# Altium PCB HOST拼板.PcbDoc (part 2 of 4) (continued)
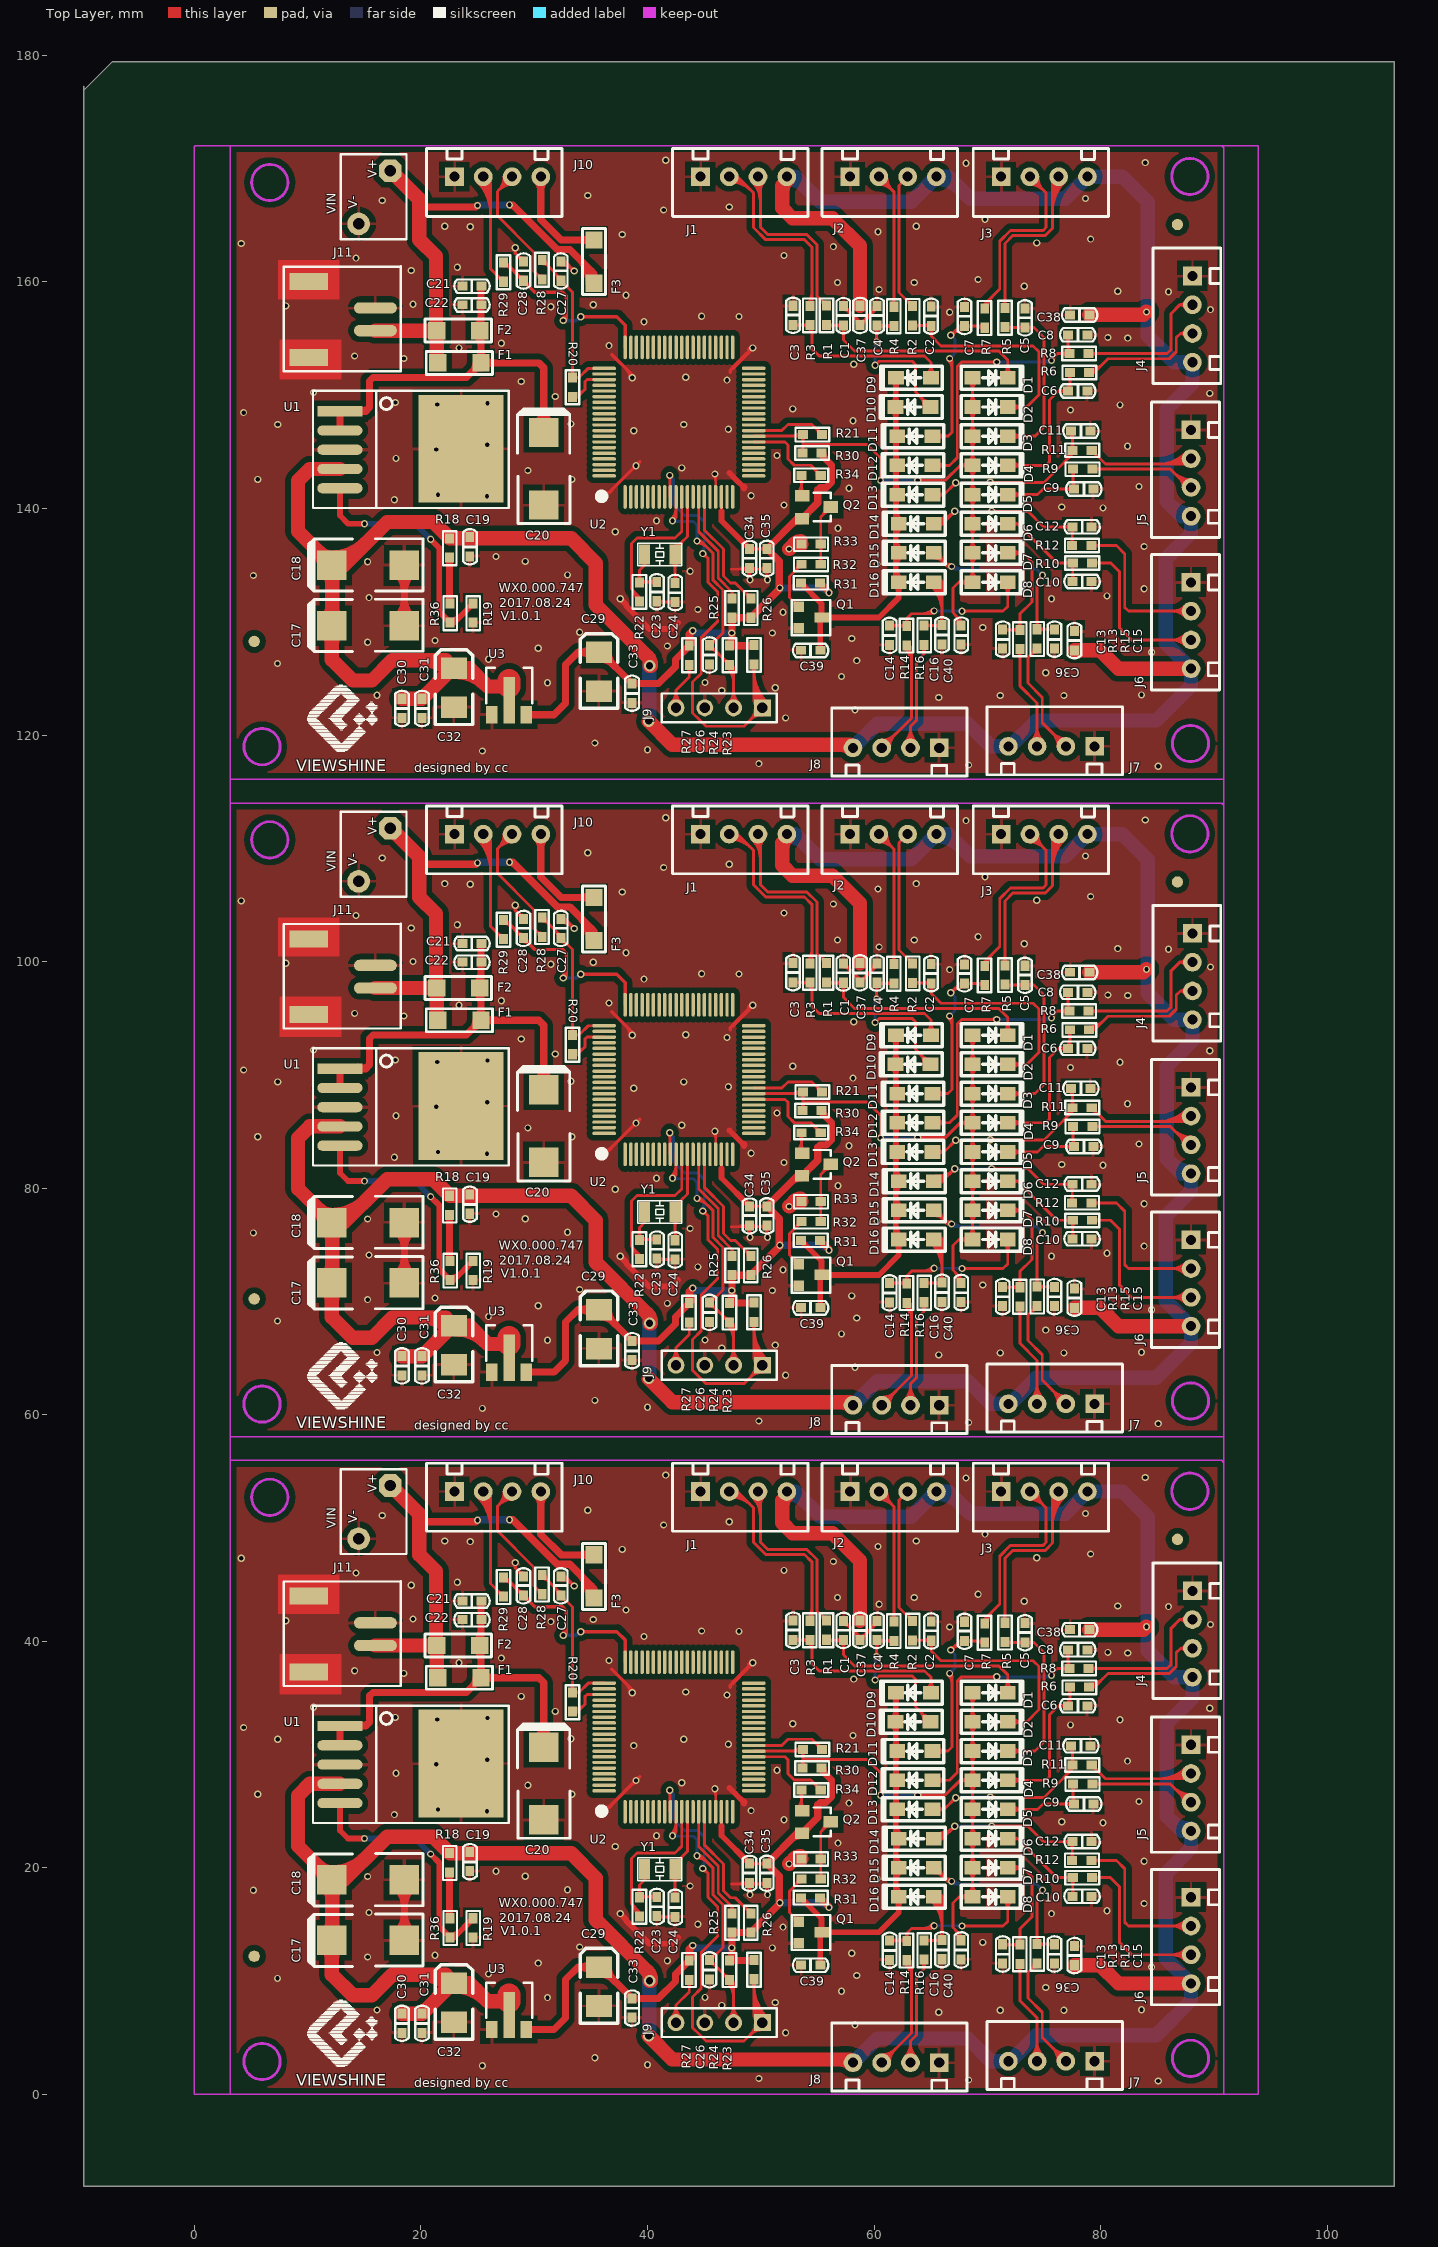
[diagram p0: Top Layer view]
## Nets (pads, with @x,y where several pads share a name; then routed paths per layer and width w, separated by ;. In a path a pad name is that pad's centre, name@x,y a point inside that pad or via, vN(x,y) a via of type N, cw(c..) or ccw(c..) an arc to the next point about the centre after c; other vN are vias at no path point) (continued)
55.423,146.533 ; 49.403,7.154 ccw(c50.969,7.154) 49.862,6.047 ; 49.403,7.767 ccw(c51.582,7.767) 50.041,6.226 ; 49.403,8.381 ccw(c52.196,8.381) 50.221,6.406 ; 49.403,8.994 ccw(c52.809,8.994) 50.401,6.586 ; 49.403,9.607 ccw(c53.422,9.607) 50.58,6.765 ; 49.403,65.193 ccw(c50.969,65.193) 49.862,64.086 ; 49.403,65.806 ccw(c51.582,65.806) 50.041,64.265 ; 49.403,66.42 ccw(c52.196,66.42) 50.221,64.445 ; 49.403,67.033 ccw(c52.809,67.033) 50.401,64.625 ; 49.403,67.646 ccw(c53.422,67.646) 50.58,64.804 ; 49.403,123.232 ccw(c50.969,123.232) 49.862,122.125 ; 49.403,123.845 ccw(c51.582,123.845) 50.041,122.304 ; 49.403,124.459 ccw(c52.196,124.459) 50.221,122.484 ; 49.403,125.072 ccw(c52.809,125.072) 50.401,122.664 ; 49.403,125.685 ccw(c53.422,125.685) 50.58,122.843 ; 49.444,52.899 cw(c48.195,51.649) 49.962,51.649 ; 49.444,110.938 cw(c48.195,109.688) 49.962,109.688 ; 49.444,168.977 cw(c48.195,167.727) 49.962,167.727 ; 49.517,6.325 cw(c48.013,6.325) 49.076,5.261 cw(c50.14,4.198) 50.14,5.702 ; 49.517,64.364 cw(c48.013,64.364) 49.076,63.3 cw(c50.14,62.237) 50.14,63.741 ; 49.517,122.403 cw(c48.013,122.403) 49.076,121.339 cw(c50.14,120.276) 50.14,121.78 ; 49.624,53.078 cw(c48.808,52.263) 49.962,52.263 ; 49.624,111.117 cw(c48.808,110.302) 49.962,110.302 ; 49.624,169.156 cw(c48.808,168.341) 49.962,168.341 ; 49.759,53.213 49.962,53.01 49.962,49.327 ; 49.759,111.252 49.962,111.049 49.962,107.366 ; 49.759,169.291 49.962,169.088 49.962,165.405 ; 49.771,6.325 cw(c48.88,6.325) 49.51,5.695 cw(c50.14,5.065) 50.14,5.956 ; 49.771,64.364 cw(c48.88,64.364) 49.51,63.734 cw(c50.14,63.104) 50.14,63.995 ; 49.771,122.403 cw(c48.88,122.403) 49.51,121.773 cw(c50.14,121.143) 50.14,122.034 ; 49.781,18.555 ccw(c49.781,19.371) 50.357,18.794 ; 49.781,76.594 ccw(c49.781,77.41) 50.357,76.833 ; 49.781,134.633 ccw(c49.781,135.449) 50.357,134.872 ; 49.962,50.089 49.962,49.327 ; 49.962,52.017 cw(c50.954,52.017) 50.253,52.719 ; 49.962,108.128 49.962,107.366 ; 49.962,110.056 cw(c50.954,110.056) 50.253,110.758 ; 49.962,166.167 49.962,165.405 ; 49.962,168.095 cw(c50.954,168.095) 50.253,168.797 ; 50.024,18.555 cw(c50.024,18.083) 50.357,18.417 cw(c49.902,17.961) 50.546,17.961 cw(c51.19,17.961) 50.735,18.417 ; 50.024,76.594 cw(c50.024,76.122) 50.357,76.456 cw(c49.902,76) 50.546,76 cw(c51.19,76) 50.735,76.456 ; 50.024,134.633 cw(c50.024,134.161) 50.357,134.495 cw(c49.902,134.039) 50.546,134.039 cw(c51.19,134.039) 50.735,134.495 ; 50.357,20.169 ccw(c49.902,19.714) 49.902,20.358 ccw(c49.902,21.002) 50.357,20.546 ; 50.357,78.208 ccw(c49.902,77.753) 49.902,78.397 ccw(c49.902,79.041) 50.357,78.585 ; 50.357,136.247 ccw(c49.902,135.792) 49.902,136.436 ccw(c49.902,137.08) 50.357,136.624 ; v1@50.462,17.762 ccw(c50.26,17.965) 50.546,17.965 ; v1@50.462,75.801 ccw(c50.26,76.004) 50.546,76.004 ; v1@50.462,133.84 ccw(c50.26,134.043) 50.546,134.043 ; 50.546,18.21 ccw(c51.179,18.21) v1@50.732,17.762 ; 50.546,76.249 ccw(c51.179,76.249) v1@50.732,75.801 ; 50.546,134.288 ccw(c51.179,134.288) v1@50.732,133.84 ; 52.705,30.322 ccw(c52.705,31.419) 53.482,30.643 ; 52.705,88.361 ccw(c52.705,89.458) 53.482,88.682 ; 52.705,146.4 ccw(c52.705,147.497) 53.482,146.721 ; 52.857,40.119 52.87,40.107 54.508,40.107 54.508,39.294 ; 52.857,98.158 52.87,98.146 54.508,98.146 54.508,97.333 ; 52.857,156.197 52.87,156.185 54.508,156.185 54.508,155.372 ; 53.01,15.24 ccw(c52.213,15.24) 52.776,15.804 ccw(c53.34,16.367) 53.34,15.57 ; 53.01,73.279 ccw(c52.213,73.279) 52.776,73.843 ccw(c53.34,74.406) 53.34,73.609 ; 53.01,131.318 ccw(c52.213,131.318) 52.776,131.882 ccw(c53.34,132.445) 53.34,131.648 ; 53.046,39.93 cw(c53.471,39.505) 53.471,40.107 ; 53.046,40.308 ccw(c53.531,40.793) 53.531,40.107 ; 53.046,97.969 cw(c53.471,97.544) 53.471,98.146 ; 53.046,98.347 ccw(c53.531,98.832) 53.531,98.146 ; 53.046,156.008 cw(c53.471,155.583) 53.471,156.185 ; 53.046,156.386 ccw(c53.531,156.871) 53.531,156.185 ; 53.052,18.457 ccw(c52.51,18.999) 53.276,18.999 ; 53.052,76.496 ccw(c52.51,77.038) 53.276,77.038 ; 53.052,134.535 ccw(c52.51,135.077) 53.276,135.077 ; 53.175,18.58 cw(c53.543,18.211) 53.543,18.732 ; 53.175,76.619 cw(c53.543,76.25) 53.543,76.772 ; 53.175,134.658 cw(c53.543,134.289) 53.543,134.81 ; 53.269,25.323 ccw(c52.483,26.108) 53.594,26.108 ; 53.269,83.362 ccw(c52.483,84.147) 53.594,84.147 ; 53.269,141.401 ccw(c52.483,142.186) 53.594,142.186 ; 53.34,15.24 52.527,16.053 52.527,17.932 53.594,18.999 ; 53.34,73.279 52.527,74.092 52.527,75.971 53.594,77.038 ; 53.34,131.318 52.527,132.131 52.527,134.01 53.594,135.077 ; 53.405,26.659 cw(c52.95,26.204) 53.594,26.204 cw(c54.238,26.204) 53.783,26.659 ; 53.405,84.698 cw(c52.95,84.243) 53.594,84.243 cw(c54.238,84.243) 53.783,84.698 ; 53.405,142.737 cw(c52.95,142.282) 53.594,142.282 cw(c54.238,142.282) 53.783,142.737 ; 53.532,28.992 ccw(c53.077,29.447) 53.721,29.447 ccw(c54.365,29.447) 53.91,28.992 ; 53.532,30.266 cw(c53.077,29.811) 53.721,29.811 cw(c54.365,29.811) 53.91,30.266 ; 53.532,87.031 ccw(c53.077,87.486) 53.721,87.486 ccw(c54.365,87.486) 53.91,87.031 ; 53.532,88.305 cw(c53.077,87.85) 53.721,87.85 cw(c54.365,87.85) 53.91,88.305 ; 53.532,145.07 ccw(c53.077,145.525) 53.721,145.525 ccw(c54.365,145.525) 53.91,145.07 ; 53.532,146.344 cw(c53.077,145.889) 53.721,145.889 cw(c54.365,145.889) 53.91,146.344 ; 53.594,25.838 ccw(c54.323,25.838) 53.808,25.323 ; 53.594,26.848 53.594,25.125 53.665,25.054 ; 53.594,83.877 ccw(c54.323,83.877) 53.808,83.362 ; 53.594,84.887 53.594,83.164 53.665,83.093 ; 53.594,141.916 ccw(c54.323,141.916) 53.808,141.401 ; 53.594,142.926 53.594,141.203 53.665,141.132 ; 53.67,28.804 53.721,28.854 53.721,29.566 ; 53.67,86.843 53.721,86.893 53.721,87.605 ; 53.67,144.882 53.721,144.932 53.721,145.644 ; 54.15,39.918 ccw(c53.695,39.463) 53.695,40.107 ccw(c53.695,40.75) 54.15,40.295 ; 54.15,42.048 ccw(c53.286,42.912) 54.508,42.912 ; 54.15,97.957 ccw(c53.695,97.502) 53.695,98.146 ccw(c53.695,98.789) 54.15,98.334 ; 54.15,100.087 ccw(c53.286,100.951) 54.508,100.951 ; 54.15,155.996 ccw(c53.695,155.541) 53.695,156.185 ccw(c53.695,156.828) 54.15,156.373 ; 54.15,158.126 ccw(c53.286,158.99) 54.508,158.99 ; 54.199,39.829 cw(c53.858,39.275) 54.508,39.275 ; 54.199,97.868 cw(c53.858,97.314) 54.508,97.314 ; 54.199,155.907 cw(c53.858,155.353) 54.508,155.353 ; 54.33,41.868 ccw(c53.9,42.299) 54.508,42.299 ; 54.33,99.907 ccw(c53.9,100.338) 54.508,100.338 ; 54.33,157.946 ccw(c53.9,158.377) 54.508,158.377 ; 54.508,38.684 54.508,39.294 ; 54.508,96.723 54.508,97.333 ; 54.508,154.762 54.508,155.372 ; 54.754,27.39 cw(c54.212,26.848) 54.978,26.848 ; 54.754,85.429 cw(c54.212,84.887) 54.978,84.887 ; 54.754,143.468 cw(c54.212,142.926) 54.978,142.926 ; 54.876,27.267 ccw(c55.245,27.636) 55.245,27.114 ; 54.876,85.306 ccw(c55.245,85.675) 55.245,85.153 ; 54.876,143.345 ccw(c55.245,143.714) 55.245,143.192 ; 54.881,30.997 cw(c54.339,30.455) 55.105,30.455 ; 54.881,89.036 cw(c54.339,88.494) 55.105,88.494 ; 54.881,147.075 cw(c54.339,146.533) 55.105,146.533 ; 55.003,30.874 ccw(c55.372,31.243) 55.372,30.721 ; 55.003,88.913 ccw(c55.372,89.282) 55.372,88.76 ; 55.003,146.952 ccw(c55.372,147.321) 55.372,146.799 ; 55.107,19.188 ccw(c54.652,19.643) 55.296,19.643 ccw(c55.94,19.643) 55.484,19.188 ; 55.107,20.589 cw(c54.652,20.133) 55.296,20.133 cw(c55.94,20.133) 55.484,20.589 ; 55.107,20.966 ccw(c54.652,21.421) 55.296,21.421 ccw(c55.94,21.421) 55.484,20.966 ; 55.107,77.227 ccw(c54.652,77.682) 55.296,77.682 ccw(c55.94,77.682) 55.484,77.227 ; 55.107,78.628 cw(c54.652,78.172) 55.296,78.172 cw(c55.94,78.172) 55.484,78.628 ; 55.107,79.005 ccw(c54.652,79.46) 55.296,79.46 ccw(c55.94,79.46) 55.484,79.005 ; 55.107,135.266 ccw(c54.652,135.721) 55.296,135.721 ccw(c55.94,135.721) 55.484,135.266 ; 55.107,136.667 cw(c54.652,136.211) 55.296,136.211 cw(c55.94,136.211) 55.484,136.667 ; 55.107,137.044 ccw(c54.652,137.499) 55.296,137.499 ccw(c55.94,137.499) 55.484,137.044 ; 55.253,42.376 ccw(c55.795,42.918) 55.795,42.151 ; 55.253,100.415 ccw(c55.795,100.957) 55.795,100.19 ; 55.253,158.454 ccw(c55.795,158.996) 55.795,158.229 ; 55.296,18.999 55.296,20.777 55.296,23.165 56.185,24.054 ; 55.296,77.038 55.296,78.816 55.296,81.204 56.185,82.093 ; 55.296,135.077 55.296,136.855 55.296,139.243 56.185,140.132 ; 55.359,23.228 ccw(c54.59,23.997) 55.677,24.039 ; 55.359,81.267 ccw(c54.59,82.036) 55.677,82.078 ; 55.359,139.306 ccw(c54.59,140.075) 55.677,140.117 ; 55.376,42.253 cw(c55.007,41.885) 55.529,41.885 ; 55.376,100.292 cw(c55.007,99.924) 55.529,99.924 ; 55.376,158.331 cw(c55.007,157.963) 55.529,157.963 ; 55.624,23.493 cw(c56.058,23.06) 56.058,23.673 ; 55.624,81.532 cw(c56.058,81.099) 56.058,81.712 ; 55.624,139.571 cw(c56.058,139.138) 56.058,139.751 ; 55.795,41.834 54.961,42.669 54.961,47.208 54.061,48.108 50.622,48.108 49.962,48.768 49.962,49.327 ; 55.795,99.873 54.961,100.708 54.961,105.247 54.061,106.147 50.622,106.147 49.962,106.807 49.962,107.366 ; 55.795,157.912 54.961,158.747 54.961,163.286 54.061,164.186 50.622,164.186 49.962,164.846 49.962,165.405 ; 55.984,39.893 cw(c56.439,39.437) 56.439,40.081 cw(c56.439,40.725) 55.984,40.27 ; 55.984,97.932 cw(c56.439,97.476) 56.439,98.12 cw(c56.439,98.764) 55.984,98.309 ; 55.984,155.971 cw(c56.439,155.515) 56.439,156.159 cw(c56.439,156.803) 55.984,156.348 ; 56.159,40.081 57.302,40.081 ; 56.159,98.12 57.302,98.12 ; 56.159,156.159 57.302,156.159 ; 56.628,40.081 ccw(c56.628,40.768) 57.114,40.282 ; 56.628,98.12 ccw(c56.628,98.807) 57.114,98.321 ; 56.628,156.159 ccw(c56.628,156.846) 57.114,156.36 ; 56.689,40.081 cw(c56.689,39.48) 57.114,39.905 ; 56.689,98.12 cw(c56.689,97.519) 57.114,97.944 ; 56.689,156.159 cw(c56.689,155.558) 57.114,155.983 ; 57.114,39.854 cw(c56.659,39.399) 57.302,39.399 cw(c57.946,39.399) 57.491,39.854 ; 57.114,97.893 cw(c56.659,97.438) 57.302,97.438 cw(c57.946,97.438) 57.491,97.893 ; 57.114,155.932 cw(c56.659,155.477) 57.302,155.477 cw(c57.946,155.477) 57.491,155.932 ; 57.302,40.094 57.302,40.081 ; 57.302,98.133 57.302,98.12 ; 57.302,156.172 57.302,156.159 ; 60.077,39.854 cw(c59.724,39.501) 60.223,39.501 ; 60.077,97.893 cw(c59.724,97.54) 60.223,97.54 ; 60.077,155.932 cw(c59.724,155.579) 60.223,155.579 ; v1@60.089,38.768 ccw(c59.763,39.093) 60.223,39.093 ccw(c60.683,39.093) v1@60.358,38.768 ; v1@60.089,96.807 ccw(c59.763,97.132) 60.223,97.132 ccw(c60.683,97.132) v1@60.358,96.807 ; v1@60.089,154.846 ccw(c59.763,155.171) 60.223,155.171 ccw(c60.683,155.171) v1@60.358,154.846 ; v1(60.096,36.576) 60.442,36.921 63.373,36.921 63.652,36.642 63.652,34.228 64.999,32.882 63.779,34.101 ; 60.096,40.17 60.236,40.03 ; v1(60.096,94.615) 60.442,94.96 63.373,94.96 63.652,94.681 63.652,92.267 64.999,90.921 63.779,92.14 ; 60.096,98.209 60.236,98.069 ; v1(60.096,152.654) 60.442,152.999 63.373,152.999 63.652,152.72 63.652,150.306 64.999,148.96 63.779,150.179 ; 60.096,156.248 60.236,156.108 ; v1(60.223,38.633) 60.223,40.018 60.236,40.03 ; 60.223,39.297 cw(c61.012,39.297) 60.454,39.854 cw(c60.879,39.429) 60.879,40.03 ; v1(60.223,96.672) 60.223,98.057 60.236,98.069 ; 60.223,97.336 cw(c61.012,97.336) 60.454,97.893 cw(c60.879,97.468) 60.879,98.069 ; v1(60.223,154.711) 60.223,156.096 60.236,156.108 ; 60.223,155.375 cw(c61.012,155.375) 60.454,155.932 cw(c60.879,155.507) 60.879,156.108 ; 60.427,52.514 cw(c60.427,50.828) 61.619,52.021 cw(c62.811,53.213) 61.125,53.213 ; 60.427,52.768 cw(c60.427,51.695) 61.185,52.454 cw(c61.944,53.213) 60.871,53.213 ; 60.427,53.213 61.747,51.892 61.747,41.732 ; 60.427,110.553 cw(c60.427,108.867) 61.619,110.06 cw(c62.811,111.252) 61.125,111.252 ; 60.427,110.807 cw(c60.427,109.734) 61.185,110.493 cw(c61.944,111.252) 60.871,111.252 ; 60.427,111.252 61.747,109.931 61.747,99.771 ; 60.427,168.593 cw(c60.427,166.906) 61.619,168.099 cw(c62.811,169.291) 61.125,169.291 ; 60.427,168.846 cw(c60.427,167.773) 61.185,168.532 cw(c61.944,169.291) 60.871,169.291 ; 60.427,169.291 61.747,167.97 61.747,157.81 ; v1@60.444,26.525 ccw(c60.058,26.912) 60.604,26.912 ; v1@60.444,84.564 ccw(c60.058,84.951) 60.604,84.951 ; v1@60.444,142.603 ccw(c60.058,142.99) 60.604,142.99 ; 60.454,40.231 ccw(c60.94,40.717) 60.94,40.03 ; 60.454,98.27 ccw(c60.94,98.756) 60.94,98.069 ; 60.454,156.309 ccw(c60.94,156.795) 60.94,156.108 ; v1(60.579,26.391) 60.604,26.416 60.604,26.695 60.604,28.346 59.385,29.566 53.721,29.566 ; v1(60.579,84.43) 60.604,84.455 60.604,84.734 60.604,86.385 59.385,87.605 53.721,87.605 ; v1(60.579,142.469) 60.604,142.494 60.604,142.773 60.604,144.424 59.385,145.644 53.721,145.644 ; 60.604,26.789 ccw(c60.978,26.789) v1@60.714,26.525 ; 60.604,84.828 ccw(c60.978,84.828) v1@60.714,84.564 ; 60.604,142.867 ccw(c60.978,142.867) v1@60.714,142.603 ; 60.681,2.794 63.297,5.41 63.297,11.43 62.89,11.836 ; 60.681,3.238 ccw(c60.681,4.312) 61.439,3.553 ccw(c62.198,2.794) 61.125,2.794 ; 60.681,3.492 ccw(c60.681,5.179) 61.873,3.986 ccw(c63.065,2.794) 61.379,2.794 ; 60.681,60.833 63.297,63.449 63.297,69.469 62.89,69.875 ; 60.681,61.277 ccw(c60.681,62.351) 61.439,61.592 ccw(c62.198,60.833) 61.125,60.833 ; 60.681,61.531 ccw(c60.681,63.218) 61.873,62.025 ccw(c63.065,60.833) 61.379,60.833 ; 60.681,118.872 63.297,121.488 63.297,127.508 62.89,127.914 ; 60.681,119.316 ccw(c60.681,120.39) 61.439,119.631 ccw(c62.198,118.872) 61.125,118.872 ; 60.681,119.57 ccw(c60.681,121.257) 61.873,120.064 ccw(c63.065,118.872) 61.379,118.872 ; 61.366,13.577 62.852,13.577 62.89,13.538 62.89,14.199 ; 61.366,71.616 62.852,71.616 62.89,71.577 62.89,72.238 ; 61.366,129.655 62.852,129.655 62.89,129.616 62.89,130.277 ; 61.555,13.388 cw(c62.01,12.933) 62.01,13.577 cw(c62.01,14.22) 61.555,13.765 ; 61.555,71.427 cw(c62.01,70.972) 62.01,71.616 cw(c62.01,72.259) 61.555,71.804 ; 61.555,129.466 cw(c62.01,129.011) 62.01,129.655 cw(c62.01,130.298) 61.555,129.843 ; 61.559,39.842 ccw(c61.104,39.387) 61.104,40.03 ccw(c61.104,40.674) 61.559,40.219 ; 61.559,41.972 ccw(c61.104,42.427) 61.747,42.427 ccw(c62.391,42.427) 61.936,41.972 ; 61.559,97.881 ccw(c61.104,97.426) 61.104,98.069 ccw(c61.104,98.713) 61.559,98.258 ; 61.559,100.011 ccw(c61.104,100.466) 61.747,100.466 ccw(c62.391,100.466) 61.936,100.011 ; 61.559,155.92 ccw(c61.104,155.465) 61.104,156.108 ccw(c61.104,156.752) 61.559,156.297 ; 61.559,158.05 ccw(c61.104,158.505) 61.747,158.505 ccw(c62.391,158.505) 61.936,158.05 ; 61.747,40.03 60.236,40.03 ; 61.747,98.069 60.236,98.069 ; 61.747,156.108 60.236,156.108 ; 62.216,13.577 ccw(c62.216,14.263) 62.702,13.778 ; 62.216,71.616 ccw(c62.216,72.302) 62.702,71.817 ; 62.216,129.655 ccw(c62.216,130.341) 62.702,129.856 ; 62.277,13.577 cw(c62.277,12.975) 62.702,13.4 ; 62.277,71.616 cw(c62.277,71.014) 62.702,71.439 ; 62.277,129.655 cw(c62.277,129.053) 62.702,129.478 ; 62.702,11.597 cw(c61.265,10.161) 63.297,10.161 ; 62.702,69.636 cw(c61.265,68.2) 63.297,68.2 ; 62.702,127.675 cw(c61.265,126.239) 63.297,126.239 ; 62.709,13.785 ccw(c62.327,14.199) 62.89,14.199 ; 62.709,71.824 ccw(c62.327,72.238) 62.89,72.238 ; 62.709,129.863 ccw(c62.327,130.277) 62.89,130.277 ; 62.727,3.288 ccw(c61.534,4.48) 63.221,4.48 ccw(c64.907,4.48) 63.715,3.288 ; 62.727,61.327 ccw(c61.534,62.519) 63.221,62.519 ccw(c64.907,62.519) 63.715,61.327 ; 62.727,119.366 ccw(c61.534,120.558) 63.221,120.558 ccw(c64.907,120.558) 63.715,119.366 ; 62.856,42.325 ccw(c63.398,42.867) 63.398,42.1 ; 62.856,100.364 ccw(c63.398,100.906) 63.398,100.139 ; 62.856,158.403 ccw(c63.398,158.945) 63.398,158.178 ; 62.881,11.777 cw(c61.879,10.774) 63.297,10.774 ; 62.881,69.816 cw(c61.879,68.813) 63.297,68.813 ; 62.881,127.855 cw(c61.879,126.852) 63.297,126.852 ; 62.906,3.108 ccw(c62.147,3.867) 63.221,3.867 ccw(c64.294,3.867) 63.535,3.108 ; 62.906,61.147 ccw(c62.147,61.906) 63.221,61.906 ccw(c64.294,61.906) 63.535,61.147 ; 62.906,119.186 ccw(c62.147,119.945) 63.221,119.945 ccw(c64.294,119.945) 63.535,119.186 ; 62.939,11.523 cw(c63.018,11.1) 63.322,11.405 ; 62.939,69.562 cw(c63.018,69.139) 63.322,69.444 ; 62.939,127.601 cw(c63.018,127.178) 63.322,127.483 ; 62.967,53.213 62.2,52.446 62.2,44.018 62.2,42.982 63.398,41.783 ; 62.967,111.252 62.2,110.485 62.2,102.057 62.2,101.021 63.398,99.822 ; 62.967,169.291 62.2,168.524 62.2,160.096 62.2,159.06 63.398,157.861 ; 62.979,42.202 cw(c62.61,41.834) 63.132,41.834 ; 62.979,100.241 cw(c62.61,99.873) 63.132,99.873 ; 62.979,158.28 cw(c62.61,157.912) 63.132,157.912 ; 63.061,11.956 cw(c62.492,11.387) 63.297,11.387 ; 63.061,69.995 cw(c62.492,69.426) 63.297,69.426 ; 63.061,128.034 cw(c62.492,127.465) 63.297,127.465 ; 63.071,13.785 cw(c63.454,14.199) 62.89,14.199 ; 63.071,71.824 cw(c63.454,72.238) 62.89,72.238 ; 63.071,129.863 cw(c63.454,130.277) 62.89,130.277 ; 63.157,11.786 ccw(c63.678,11.786) 63.31,11.417 ; 63.157,69.825 ccw(c63.678,69.825) 63.31,69.456 ; 63.157,127.864 ccw(c63.678,127.864) 63.31,127.495 ; 63.221,2.794 63.221,4.695 63.749,5.223 63.749,10.409 64.414,11.074 64.414,11.887 ; 63.221,60.833 63.221,62.734 63.749,63.262 63.749,68.448 64.414,69.113 64.414,69.926 ; 63.221,118.872 63.221,120.773 63.749,121.301 63.749,126.487 64.414,127.152 64.414,127.965 ; 63.398,40.081 65.011,40.081 65.049,40.043 65.049,39.141 65.913,38.278 74.041,38.278 74.554,37.765 74.554,33.96 73.476,32.882 71.807,32.882 ; 63.398,98.12 65.011,98.12 65.049,98.082 65.049,97.18 65.913,96.317 74.041,96.317 74.554,95.804 74.554,91.999 73.476,90.921 71.807,90.921 ; 63.398,156.159 65.011,156.159 65.049,156.121 65.049,155.219 65.913,154.356 74.041,154.356 74.554,153.843 74.554,150.038 73.476,148.96 71.807,148.96 ; 63.587,39.893 cw(c64.042,39.437) 64.042,40.081 cw(c64.042,40.725) 63.587,40.27 ; 63.587,97.932 cw(c64.042,97.476) 64.042,98.12 cw(c64.042,98.764) 63.587,98.309 ; 63.587,155.971 cw(c64.042,155.515) 64.042,156.159 cw(c64.042,156.803) 63.587,156.348 ; v1(63.856,26.416) 66.294,26.416 67.608,27.73 ; v1(63.856,84.455) 66.294,84.455 67.608,85.769 ; v1(63.856,142.494) 66.294,142.494 67.608,143.808 ; v1@63.99,26.281 cw(c64.316,25.956) 64.316,26.416 cw(c64.316,26.876) v1@63.99,26.551 ; v1@63.99,84.32 cw(c64.316,83.995) 64.316,84.455 cw(c64.316,84.915) v1@63.99,84.59 ; v1@63.99,142.359 cw(c64.316,142.034) 64.316,142.494 cw(c64.316,142.954) v1@63.99,142.629 ; 64.226,11.648 cw(c63.771,11.193) 64.414,11.193 cw(c65.058,11.193) 64.603,11.648 ; 64.226,69.687 cw(c63.771,69.232) 64.414,69.232 cw(c65.058,69.232) 64.603,69.687 ; 64.226,127.726 cw(c63.771,127.271) 64.414,127.271 cw(c65.058,127.271) 64.603,127.726 ; 64.23,14.63 ccw(c64.23,15.958) v1@65.169,15.019 ; 64.23,72.669 ccw(c64.23,73.997) v1@65.169,73.058 ; 64.23,130.708 ccw(c64.23,132.036) v1@65.169,131.097 ; 64.375,40.081 ccw(c64.375,40.768) 64.861,40.282 ; 64.375,98.12 ccw(c64.375,98.807) 64.861,98.321 ; 64.375,156.159 ccw(c64.375,156.846) 64.861,156.36 ; 64.414,13.589 65.951,13.589 65.989,13.627 65.989,14.859 65.989,17.45 ; 64.414,71.628 65.951,71.628 65.989,71.666 65.989,72.898 65.989,75.489 ; 64.414,129.667 65.951,129.667 65.989,129.705 65.989,130.937 65.989,133.528 ; 64.436,40.081 cw(c64.436,39.48) 64.861,39.905 ; 64.436,98.12 cw(c64.436,97.519) 64.861,97.944 ; 64.436,156.159 cw(c64.436,155.558) 64.861,155.983 ; 64.603,13.4 cw(c65.058,12.945) 65.058,13.589 cw(c65.058,14.233) 64.603,13.778 ; 64.603,71.439 cw(c65.058,70.984) 65.058,71.628 cw(c65.058,72.272) 64.603,71.817 ; 64.603,129.478 cw(c65.058,129.023) 65.058,129.667 cw(c65.058,130.311) 64.603,129.856 ; 64.69,35.793 ccw(c63.882,36.6) 65.024,36.6 ccw(c66.166,36.6) 65.358,35.793 ; 64.69,93.832 ccw(c63.882,94.639) 65.024,94.639 ccw(c66.166,94.639) 65.358,93.832 ; 64.69,151.871 ccw(c63.882,152.678) 65.024,152.678 ccw(c66.166,152.678) 65.358,151.871 ; 64.843,14.63 ccw(c64.843,15.344) v1@65.348,14.839 ; 64.843,72.669 ccw(c64.843,73.383) v1@65.348,72.878 ; 64.843,130.708 ccw(c64.843,131.422) v1@65.348,130.917 ; 64.861,39.803 cw(c64.406,39.348) 65.049,39.348 cw(c65.693,39.348) 65.238,39.803 ; 64.861,97.842 cw(c64.406,97.387) 65.049,97.387 cw(c65.693,97.387) 65.238,97.842 ; 64.861,155.881 cw(c64.406,155.426) 65.049,155.426 cw(c65.693,155.426) 65.238,155.881 ; 65.024,35.458 65.024,36.815 64.465,37.374 55.159,37.374 54.508,38.024 54.508,39.294 ; 65.024,93.497 65.024,94.854 64.465,95.413 55.159,95.413 54.508,96.063 54.508,97.333 ; 65.024,151.536 65.024,152.893 64.465,153.452 55.159,153.452 54.508,154.102 54.508,155.372 ; 65.044,17.09 cw(c62.761,14.807) 65.989,14.807 ; 65.044,75.129 cw(c62.761,72.846) 65.989,72.846 ; 65.044,133.168 cw(c62.761,130.885) 65.989,130.885 ; 65.151,25.153 66.174,25.153 ; 65.151,27.73 66.677,27.73 67.344,28.397 67.344,36.458 67.742,36.855 v1(70.841,36.855) ; 65.151,30.306 66.54,30.306 66.892,30.658 66.892,36.943 v1(66.675,37.16) ; 65.151,83.192 66.174,83.192 ; 65.151,85.769 66.677,85.769 67.344,86.436 67.344,94.497 67.742,94.894 v1(70.841,94.894) ; 65.151,88.345 66.54,88.345 66.892,88.697 66.892,94.982 v1(66.675,95.199) ; 65.151,141.231 66.174,141.231 ; 65.151,143.808 66.677,143.808 67.344,144.475 67.344,152.536 67.742,152.933 v1(70.841,152.933) ; 65.151,146.384 66.54,146.384 66.892,146.736 66.892,153.021 v1(66.675,153.238) ; 65.223,17.27 cw(c63.374,15.42) 65.989,15.42 ; 65.223,75.309 cw(c63.374,73.459) 65.989,73.459 ; 65.223,133.348 cw(c63.374,131.498) 65.989,131.498 ; 65.278,20.001 66.483,18.796 v1(66.853,18.796) ; 65.278,22.577 66.036,22.577 ; 65.278,78.04 66.483,76.835 v1(66.853,76.835) ; 65.278,80.616 66.036,80.616 ; 65.278,136.079 66.483,134.874 v1(66.853,134.874) ; 65.278,138.655 66.036,138.655 ; v1(65.303,14.884) 65.049,14.63 63.322,14.63 62.89,14.199 ; v1(65.303,72.923) 65.049,72.669 63.322,72.669 62.89,72.238 ; v1(65.303,130.962) 65.049,130.708 63.322,130.708 62.89,130.277 ; 65.315,13.589 cw(c65.315,12.903) 65.801,13.388 ; 65.315,71.628 cw(c65.315,70.942) 65.801,71.427 ; 65.315,129.667 cw(c65.315,128.981) 65.801,129.466 ; 65.353,22.289 ccw(c65.421,23.07) 65.975,22.516 ; 65.353,80.328 ccw(c65.421,81.109) 65.975,80.555 ; 65.353,138.367 ccw(c65.421,139.148) 65.975,138.594 ; 65.375,22.542 ccw(c65.482,23.78) 66.361,22.901 ; 65.375,80.581 ccw(c65.482,81.819) 66.361,80.94 ; 65.375,138.62 ccw(c65.482,139.858) 66.361,138.979 ; 65.375,13.589 ccw(c65.375,14.19) 65.801,13.765 ; 65.375,71.628 ccw(c65.375,72.229) 65.801,71.804 ; 65.375,129.667 ccw(c65.375,130.268) 65.801,129.843 ; 65.378,19.528 cw(c65.378,18.627) 66.015,19.264 ; 65.378,77.567 cw(c65.378,76.666) 66.015,77.303 ; 65.378,135.606 cw(c65.378,134.705) 66.015,135.342 ; 65.397,22.795 ccw(c65.544,24.49) 66.746,23.287 ; 65.397,80.834 ccw(c65.544,82.529) 66.746,81.326 ; 65.397,138.873 ccw(c65.544,140.568) 66.746,139.365 ; 65.403,17.449 cw(c63.987,16.033) 65.989,16.033 ; 65.403,75.488 cw(c63.987,74.072) 65.989,74.072 ; 65.403,133.527 cw(c63.987,132.111) 65.989,132.111 ; 65.419,23.048 ccw(c65.605,25.2) v1(67.132,23.673) 66.036,22.577 ; 65.419,81.087 ccw(c65.605,83.239) v1(67.132,81.712) 66.036,80.616 ; 65.419,139.126 ccw(c65.605,141.278) v1(67.132,139.751) 66.036,138.655 ; 65.582,17.629 cw(c64.6,16.647) 65.989,16.647 ; 65.582,75.668 cw(c64.6,74.686) 65.989,74.686 ; 65.582,133.707 cw(c64.6,132.725) 65.989,132.725 ; 65.585,27.395 cw(c66.393,26.588) 66.393,27.73 cw(c66.393,28.871) 65.585,28.064 ; 65.585,29.971 cw(c66.393,29.164) 66.393,30.306 cw(c66.393,31.448) 65.585,30.64 ; 65.585,85.434 cw(c66.393,84.627) 66.393,85.769 cw(c66.393,86.91) 65.585,86.103 ; 65.585,88.01 cw(c66.393,87.203) 66.393,88.345 cw(c66.393,89.487) 65.585,88.679 ; 65.585,143.473 cw(c66.393,142.666) 66.393,143.808 cw(c66.393,144.949) 65.585,144.142 ; 65.585,146.049 cw(c66.393,145.242) 66.393,146.384 cw(c66.393,147.526) 65.585,146.718 ; 65.597,20.001 ccw(c66.367,20.001) 65.823,19.456 ; 65.597,78.04 ccw(c66.367,78.04) 65.823,77.495 ; 65.597,136.079 ccw(c66.367,136.079) 65.823,135.534 ; 65.635,24.877 cw(c66.174,24.489) 66.174,25.153 ; 65.635,25.43 ccw(c66.174,25.818) 66.174,25.153 ; 65.635,82.916 cw(c66.174,82.528) 66.174,83.192 ; 65.635,83.469 ccw(c66.174,83.857) 66.174,83.192 ; 65.635,140.955 cw(c66.174,140.567) 66.174,141.231 ; 65.635,141.508 ccw(c66.174,141.896) 66.174,141.231 ; 65.762,17.808 cw(c65.213,17.26) 65.989,17.26 ; 65.762,75.847 cw(c65.213,75.299) 65.989,75.299 ; 65.762,133.886 cw(c65.213,133.338) 65.989,133.338 ; 65.801,13.867 ccw(c65.345,14.322) 65.989,14.322 ccw(c66.633,14.322) 66.178,13.867 ; 65.801,71.906 ccw(c65.345,72.361) 65.989,72.361 ccw(c66.633,72.361) 66.178,71.906 ; 65.801,129.945 ccw(c65.345,130.4) 65.989,130.4 ccw(c66.633,130.4) 66.178,129.945 ; 65.826,22.426 cw(c66.036,22.355) 66.036,22.577 ; 65.826,22.728 ccw(c66.036,22.799) 66.036,22.577 ; 65.826,80.465 cw(c66.036,80.394) 66.036,80.616 ; 65.826,80.767 ccw(c66.036,80.838) 66.036,80.616 ; 65.826,138.504 cw(c66.036,138.433) 66.036,138.655 ; 65.826,138.806 ccw(c66.036,138.877) 66.036,138.655 ; 65.851,20.001 ccw(c67.234,20.001) 66.256,19.023 ; 65.851,78.04 ccw(c67.234,78.04) 66.256,77.062 ; 65.851,136.079 ccw(c67.234,136.079) 66.256,135.101 ; 65.896,19.383 ccw(c66.853,20.34) v1@66.853,18.986 ; 65.896,77.422 ccw(c66.853,78.379) v1@66.853,77.025 ; 65.896,135.461 ccw(c66.853,136.418) v1@66.853,135.064 ; 66.329,18.949 ccw(c66.853,19.473) v1@66.853,18.732 ; 66.329,76.988 ccw(c66.853,77.512) v1@66.853,76.772 ; 66.329,135.027 ccw(c66.853,135.551) v1@66.853,134.81 ; v1@66.54,37.025 cw(c65.69,36.176) 66.892,36.176 ; v1@66.54,95.064 cw(c65.69,94.215) 66.892,94.215 ; v1@66.54,153.103 cw(c65.69,152.254) 66.892,152.254 ; v1@66.72,37.205 cw(c66.304,36.789) 66.892,36.789 ; v1@66.72,95.244 cw(c66.304,94.828) 66.892,94.828 ; v1@66.72,153.283 cw(c66.304,152.867) 66.892,152.867 ; v1@66.738,39.179 cw(c67.996,37.921) 67.996,39.7 ; v1@66.738,97.218 cw(c67.996,95.96) 67.996,97.739 ; v1@66.738,155.257 cw(c67.996,153.999) 67.996,155.778 ; v1(66.777,39.218) 67.576,40.017 ; v1@66.777,39.408 ccw(c66.777,39.868) 67.102,39.543 ccw(c67.427,39.218) v1@66.967,39.218 ; v1(66.777,97.257) 67.576,98.056 ; v1@66.777,97.447 ccw(c66.777,97.907) 67.102,97.582 ccw(c67.427,97.257) v1@66.967,97.257 ; v1(66.777,155.296) 67.576,156.095 ; v1@66.777,155.486 ccw(c66.777,155.946) 67.102,155.621 ccw(c67.427,155.296) v1@66.967,155.296 ; v1@66.942,23.673 cw(c66.482,23.673) 66.807,23.348 cw(c67.132,23.022) v1@67.132,23.482 ; v1@66.942,81.712 cw(c66.482,81.712) 66.807,81.387 cw(c67.132,81.061) v1@67.132,81.521 ; v1@66.942,139.751 cw(c66.482,139.751) 66.807,139.426 cw(c67.132,139.1) v1@67.132,139.56 ; 66.975,14.736 cw(c65.892,13.653) 67.424,13.653 ; 66.975,72.775 cw(c65.892,71.692) 67.424,71.692 ; 66.975,130.814 cw(c65.892,129.731) 67.424,129.731 ; v1@67.018,26.187 cw(c66.558,26.187) 66.883,25.862 cw(c67.208,25.537) v1@67.208,25.997 ; v1@67.018,84.226 cw(c66.558,84.226) 66.883,83.901 cw(c67.208,83.576) v1@67.208,84.036 ; v1@67.018,142.265 cw(c66.558,142.265) 66.883,141.94 cw(c67.208,141.615) v1@67.208,142.075 ; 67.172,39.613 cw(c67.996,38.788) 67.996,39.954 ; 67.172,97.652 cw(c67.996,96.827) 67.996,97.993 ; 67.172,155.691 cw(c67.996,154.866) 67.996,156.032 ; v1(67.208,26.187) 66.174,25.153 ; v1(67.208,84.226) 66.174,83.192 ; v1(67.208,142.265) 66.174,141.231 ; 67.367,39.808 cw(c67.598,39.577) 67.817,39.819 ; 67.367,97.847 cw(c67.598,97.616) 67.817,97.858 ; 67.367,155.886 cw(c67.598,155.655) 67.817,155.897 ; 67.409,14.303 cw(c66.759,13.653) 67.678,13.653 ; 67.409,72.342 cw(c66.759,71.692) 67.678,71.692 ; 67.409,130.381 cw(c66.759,129.731) 67.678,129.731 ; 67.556,39.997 cw(c67.777,39.775) 67.987,40.008 ; 67.556,98.036 cw(c67.777,97.814) 67.987,98.047 ; 67.556,156.075 cw(c67.777,155.853) 67.987,156.086 ; 67.605,40.046 cw(c67.996,39.656) 67.996,40.208 ; 67.605,98.085 cw(c67.996,97.695) 67.996,98.247 ; 67.605,156.124 cw(c67.996,155.734) 67.996,156.286 ; 67.691,13.602 67.691,14.021 66.98,14.732 66.98,16.891 67.513,17.424 ; 67.691,71.641 67.691,72.06 66.98,72.771 66.98,74.93 67.513,75.463 ; 67.691,129.68 67.691,130.099 66.98,130.81 66.98,132.969 67.513,133.502 ; 67.754,39.904 ccw(c67.576,39.821) 67.576,40.017 ; 67.754,40.131 cw(c67.576,40.214) 67.576,40.017 ; 67.754,97.943 ccw(c67.576,97.86) 67.576,98.056 ; 67.754,98.17 cw(c67.576,98.253) 67.576,98.056 ; 67.754,155.982 ccw(c67.576,155.899) 67.576,156.095 ; 67.754,156.209 cw(c67.576,156.292) 67.576,156.095 ; v1(67.767,14.859) 71.399,14.859 71.807,15.267 71.807,17.424 ; v1(67.767,72.898) 71.399,72.898 71.807,73.306 71.807,75.463 ; v1(67.767,130.937) 71.399,130.937 71.807,131.345 71.807,133.502 ; v1@67.902,14.724 cw(c68.227,14.399) 68.227,14.859 cw(c68.227,15.319) v1@67.902,14.994